# KiCad board travis_erg2024-new5.kicad_pcb (continued)
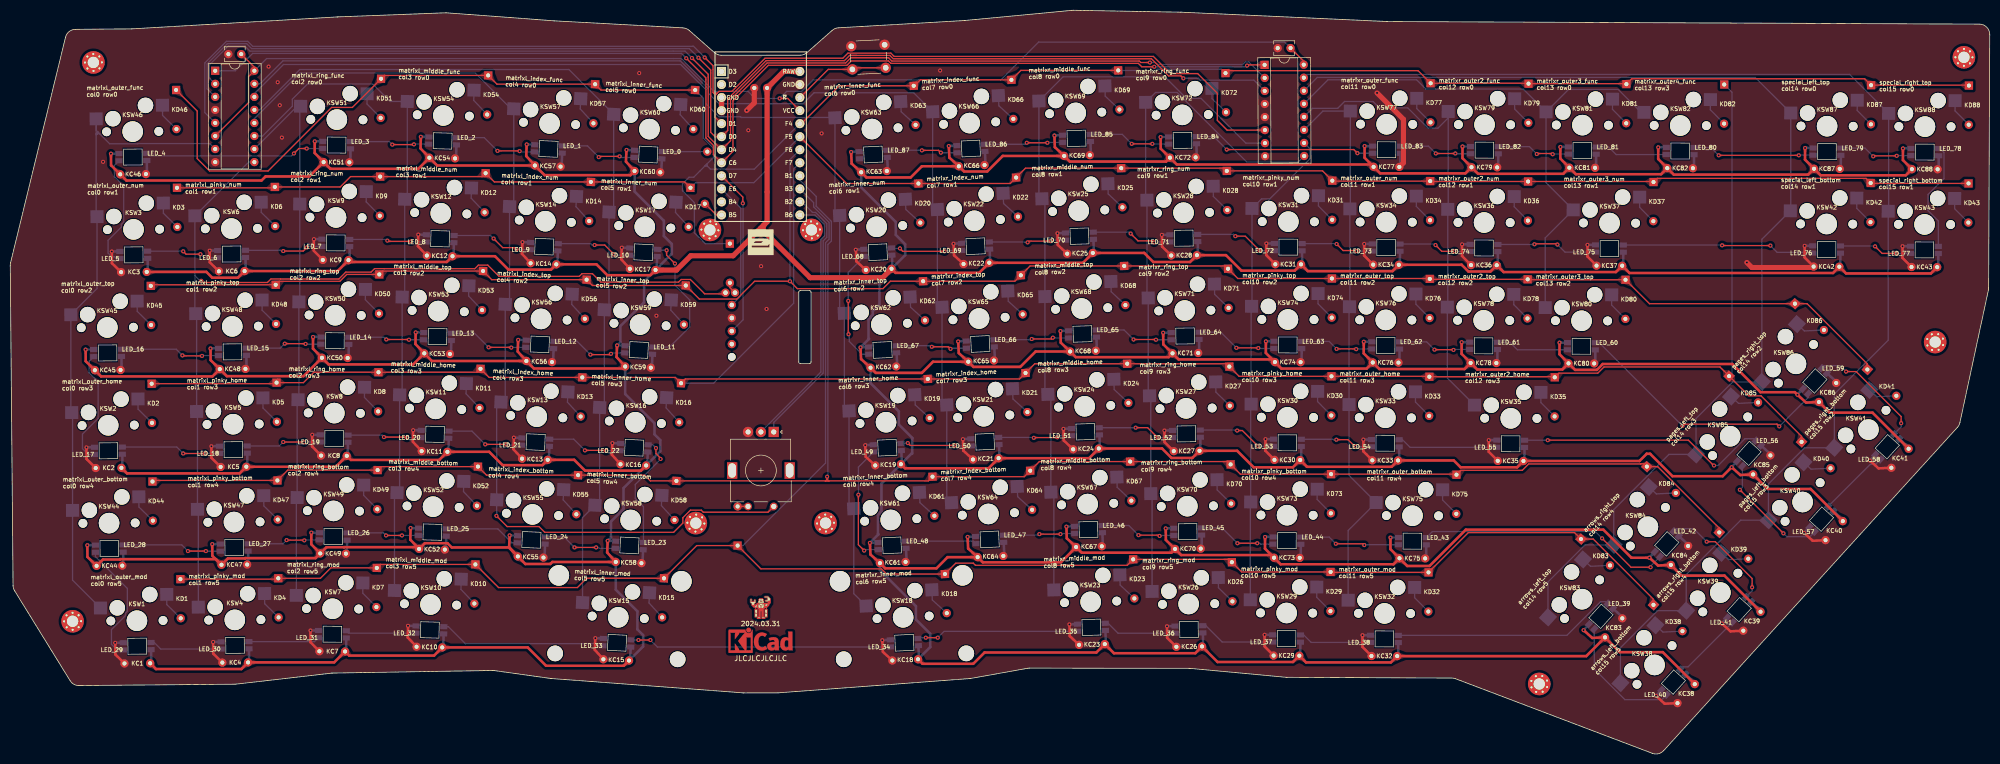
[diagram p0: board, top side]
## Routing (per net, layer and track width the routed paths; a pad name or vN(x,y) marks a point on that pad's centre or on a via; arc(x,y) is an arc through that point) (continued)
col15: length 259.6
  Bottom w0.25: KSW38.1 313.39,20.64 320.59,27.85 KSW39.1 326.19,34.87 336.8,45.48 KSW40.1 342.21,52.55 349.23,59.58 KSW41.1 355.01,70.03 365.51,80.52 KSW43.1 365.59,105.72 KSW88.1 358,132.27 252.41,132.27 DIP2.15
enc_to: length 2
  Top w0.25: D2.2 ROT1.2
encA: length 51.8
  Bottom w0.25: ROT1.A 148.6,64.52 158.22,74.14 158.22,99.86 158.91,100.55 158.91,103.23 156.74,105.4 156.14,105.4 154.09,107.45 MCU1.14
encC: length 51.1
  Bottom w0.25: MCU1.13 156.6,104.91 158.46,103.04 158.46,100.83 157.76,100.13 157.76,74.32 ROT1.C
LED: length 4.1
  Top w0.25: 135.24,107.09 137.42,104.91 MCU1.12
LED_0: length 8.8
  Bottom w0.25: 135.73,117.24 126.9,117.24 KLED60.4
LED_1: length 15
  Top w0.25: v1(114.53,116.17) 114.69,116.32 v1(118.6,116.32)
  Bottom w0.25: v1(114.53,116.17) 112.35,118.35 KLED57.4 ; v1(118.6,116.32) 118.82,116.1 KLED60.2
LED_2: length 16.3
  Top w0.25: v1(99.14,117.34) 99.09,117.39 v1(94.82,117.39)
  Bottom w0.25: v1(94.82,117.39) 92.26,119.95 KLED54.4 ; KLED57.2 99.29,117.19 v1(99.14,117.34)
LED_3: length 15.5
  Top w0.25: v1(78.57,118.66) 78.52,118.61 v1(74.35,118.61)
  Bottom w0.25: v1(74.35,118.61) 73.77,119.19 KLED51.4 ; v1(78.57,118.66) 78.6,118.69 KLED54.2
LED_4: length 35.1
  Top w0.25: v1(57.69,117.85) 56.16,117.85 v1(55.2,116.88)
  Bottom w0.25: KLED51.2 57.69,117.84 v1(57.69,117.85) ; v1(55.2,116.88) 54.73,116.41 27.06,116.41 KLED46.4
LED_5: length 23.1
  Bottom w0.25: KLED46.2 20.25,114.54 20.25,112.38 22.08,110.55 22.08,103.53 21.62,103.08 21.62,102.55 19.04,99.97 19.04,97.49 19.77,96.75 20.3,96.75 20.64,96.41 KLED3.4
LED_6: length 14.2
  Top w0.25: v1(37.01,97.27) 34.22,97.27 v1(33.66,97.83)
  Bottom w0.25: KLED3.2 33.63,97.86 v1(33.66,97.83) ; KLED6.4 37.71,96.58 v1(37.01,97.27)
LED_7: length 15.3
  Top w0.25: v1(53.12,97.88) 57.03,97.88 v1(57.74,98.59)
  Bottom w0.25: KLED9.4 57.94,98.79 v1(57.74,98.59) ; KLED6.2 52.62,98.03 52.76,97.88 v1(53.12,97.88)
LED_8: length 15.1
  Top w0.25: v1(78.01,99.76) 73.54,99.76 v1(73.39,99.91)
  Bottom w0.25: KLED9.2 73.15,100.14 v1(73.39,99.91) ; v1(78.01,99.76) 78.12,99.65 KLED12.4
LED_9: length 16
  Top w0.25: v1(98.53,98.24) 98.23,98.54 95.84,98.54 v1(94.06,100.32)
  Bottom w0.25: KLED12.2 93.47,100.91 v1(94.06,100.32) ; v1(98.53,98.24) 98.61,98.16 KLED14.4
LED_10: length 14.8
  Top w0.25: v1(113.72,99.05) 115.7,99.05 v1(117.53,97.22)
  Bottom w0.25: KLED14.2 112.99,99.32 113.26,99.05 v1(113.72,99.05) ; KLED17.4 117.68,97.07 v1(117.53,97.22)
LED_11: length 27.4
  Top w0.25: v1(127.74,98.03) 127.74,97.07 v1(129.37,95.44)
  Bottom w0.25: v1(127.74,98.03) 126.16,98.03 KLED17.2 ; v1(129.37,95.44) 129.37,91.23 132.23,88.36 132.23,83.1 128.32,79.18 KLED59.4
LED_12: length 15
  Top w0.25: v1(116.92,77.87) 116.77,77.71 v1(112.91,77.71)
  Bottom w0.25: v1(116.92,77.87) 117.1,78.05 KLED59.2 ; KLED56.4 110.33,80.29 v1(112.91,77.71)
LED_13: length 15.7
  Top w0.25: v1(93.1,79.14) 97.47,79.14 v1(97.52,79.08)
  Bottom w0.25: KLED56.2 97.56,79.12 v1(97.52,79.08) ; v1(93.1,79.14) 90.37,81.87 KLED53.4
LED_14: length 14.7
  Top w0.25: v1(77.6,80.61) 77.55,80.66 v1(73.18,80.66)
  Bottom w0.25: KLED53.2 77.6,80.61 v1(77.6,80.61) ; v1(73.18,80.66) 72.75,81.09 KLED50.4
LED_15: length 14.9
  Top w0.25: v1(53.42,79.85) 57.43,79.85 v1(57.49,79.8)
  Bottom w0.25: v1(53.42,79.85) 52.55,78.98 KLED48.4 ; v1(57.49,79.8) 57.54,79.74 KLED50.2
LED_16: length 19.5
  Top w0.25: v1(37.32,77.46) 33.61,77.46 v1(33.51,77.56)
  Bottom w0.25: v1(37.32,77.46) 37.39,77.53 KLED48.2 ; KLED45.4 32.31,78.76 v1(33.51,77.56)
LED_17: length 23.1
  Bottom w0.25: KLED2.4 15.18,58.27 14.05,59.4 14.05,62.24 17.1,65.3 17.1,72.43 15.34,74.19 15.34,76.41 KLED45.2
LED_18: length 19.5
  Top w0.25: v1(33.66,58.46) 37.83,58.46 v1(37.88,58.41)
  Bottom w0.25: KLED5.4 37.95,58.48 v1(37.88,58.41) ; v1(33.66,58.46) 32.41,59.71 KLED2.2
LED_19: length 14.6
  Top w0.25: v1(57.18,60.64) 57.13,60.7 v1(53.12,60.7)
  Bottom w0.25: v1(57.18,60.64) 57.23,60.69 KLED8.4 ; KLED5.2 52.35,59.93 v1(53.12,60.7)
LED_20: length 14.4
  Top w0.25: v1(72.73,61.66) 77.09,61.66 v1(77.2,61.56)
  Bottom w0.25: v1(72.73,61.66) 72.34,62.05 KLED8.2 ; KLED11.4 77.2,61.56 v1(77.2,61.56)
LED_21: length 15.3
  Top w0.25: v1(92.44,60.24) v1(96.55,60.24)
  Bottom w0.25: v1(96.55,60.24) 97.06,60.24 97.2,60.09 KLED13.4 ; KLED11.2 89.85,62.82 v1(92.44,60.24)
LED_22: length 14.7
  Top w0.25: v1(111.84,59.07) 115.85,59.07 v1(115.96,58.97)
  Bottom w0.25: KLED13.2 109.66,61.26 v1(111.84,59.07) ; KLED16.4 116.01,59.02 v1(115.96,58.97)
LED_23: length 23.3
  Top w0.25: v1(125.67,59.53) 125.67,58.45 126.57,57.55 v1(126.57,57.39)
  Bottom w0.25: v1(125.67,59.53) 125.04,60.16 KLED16.2 ; KLED58.4 123.24,48.1 121.65,49.69 121.65,52.43 126.57,57.35 v1(126.57,57.39)
LED_24: length 14.5
  Top w0.25: v1(109.81,40.17) v1(114.03,40.17)
  Bottom w0.25: KLED55.4 107.76,42.22 v1(109.81,40.17) ; KLED58.2 114.62,39.99 114.43,40.17 v1(114.03,40.17)
LED_25: length 14.9
  Bottom w0.25: KLED52.4 94.91,43.78 97.63,41.06 KLED55.2
LED_26: length 14.1
  Top w0.25: v1(73.13,42.51) v1(76.23,42.51)
  Bottom w0.25: KLED52.2 76.6,42.52 76.59,42.51 v1(76.23,42.51) ; v1(73.13,42.51) 72.64,43 KLED49.4
LED_27: length 14.2
  Top w0.25: v1(53.78,41.59) 57.18,41.59 v1(57.23,41.54)
  Bottom w0.25: v1(53.78,41.59) 53.06,40.88 KLED47.4 ; v1(57.23,41.54) 57.33,41.64 KLED49.2
LED_28: length 19.4
  Top w0.25: v1(34.57,39.46) v1(38.08,39.46)
  Bottom w0.25: KLED44.4 33.37,40.67 v1(34.57,39.46) ; KLED47.2 38.52,39.43 38.49,39.46 v1(38.08,39.46)
LED_29: length 24.5
  Bottom w0.25: KLED44.2 16.58,38.39 22.79,32.18 22.79,27.72 22.43,27.36 22.43,26.91 19.7,24.18 19.7,21.29 20.78,20.21 KLED1.4
LED_30: length 14.2
  Bottom w0.25: KLED4.4 29.28,20.38 28,21.66 KLED1.2
LED_31: length 13.9
  Bottom w0.25: KLED4.2 59.22,21.83 KLED7.4
LED_32: length 13.7
  Bottom w0.25: KLED10.4 65.87,23.48 KLED7.2
LED_33: length 32.5
  Bottom w0.25: KLED10.2 85.27,24.73 88.57,21.43 114.97,21.43 KLED15.4
LED_34: length 51.1
  Top w0.25: v1(124.59,22.14) v1(122.26,22.14)
  Bottom w0.25: KLED18.4 125.95,20.78 v1(124.59,22.14) ; v1(122.26,22.14) 120.86,22.14 KLED15.2
LED_35: length 31.6
  Top w0.25: v1(180.52,22.6) v1(178.19,22.6)
  Bottom w0.25: KLED23.4 181.76,23.83 v1(180.52,22.6) ; v1(178.19,22.6) 176.84,22.6 KLED18.2
LED_36: length 14.4
  Bottom w0.25: KLED23.2 213.68,25.39 215.61,23.46 KLED26.4
LED_37: length 14.9
  Bottom w0.25: KLED29.4 235.88,21.75 232.71,24.93 KLED26.2
LED_38: length 14.2
  Bottom w0.25: KLED29.2 251.74,23.13 253.2,21.67 KLED32.4
LED_39: length 43.6
  Bottom w0.25: KLED32.2 302.96,23.05 309.52,29.61 310.52,29.61 KLED83.4
LED_40: length 24.8
  Bottom w0.25: KLED38.4 321.46,10.53 314.25,10.53 308.3,16.48 KLED83.2
LED_41: length 14
  Bottom w0.25: KLED39.4 326.55,16.91 325.49,16.91 KLED38.2
LED_42: length 23.6
  Top w0.25: v1(339.02,32.4) 339.02,34.11 331.84,41.29 v1(330.18,41.29)
  Bottom w0.25: KLED84.4 324.2,43.82 327.65,43.82 v1(330.18,41.29) ; v1(339.02,32.4) 339.02,31.73 KLED39.2
LED_43: length 49.9
  Top w0.25: v1(309.81,41.95) 315.45,36.31 v1(319.26,36.31)
  Bottom w0.25: v1(319.26,36.31) 319.26,36.54 KLED84.2 ; KLED75.4 276.78,43.25 308.51,43.25 v1(309.81,41.95)
LED_44: length 19.7
  Top w0.25: v1(263.53,40.63) 263.28,40.88 v1(257.99,40.88)
  Bottom w0.25: v1(263.53,40.63) 263.6,40.7 KLED75.2 ; v1(257.99,40.88) 256.7,42.18 KLED73.4
LED_45: length 15.2
  Top w0.25: v1(238.84,40.98) v1(242.7,40.98)
  Bottom w0.25: KLED73.2 243.39,40.8 243.21,40.98 v1(242.7,40.98) ; KLED70.4 235.85,43.98 v1(238.84,40.98)
LED_46: length 14.8
  Top w0.25: v1(219.59,42.56) 223.55,42.56 v1(223.7,42.41)
  Bottom w0.25: v1(219.59,42.56) 217.71,44.44 KLED67.4 ; KLED70.2 223.8,42.51 v1(223.7,42.41)
LED_47: length 14
  Top w0.25: v1(200.28,42.76) v1(204.4,42.76)
  Bottom w0.25: KLED67.2 204.51,42.87 v1(204.4,42.76) ; v1(200.28,42.76) 200.08,42.56 KLED64.4
LED_48: length 13.9
  Bottom w0.25: KLED64.2 187.46,41.4 KLED61.4
LED_49: length 23.7
  Top w0.25: v1(165.08,50.43) 165.07,50.42 165.07,40.69 v1(166.2,39.56)
  Bottom w0.25: v1(165.08,50.43) 165.08,55.82 KLED19.4 ; KLED61.2 166.37,39.74 v1(166.2,39.56)
LED_50: length 14
  Top w0.25: v1(174.69,60.49) 175.15,60.03 v1(183.83,60.03)
  Bottom w0.25: KLED19.2 173.42,60.49 v1(174.69,60.49) ; KLED21.4 183.93,59.93 v1(183.83,60.03)
LED_51: length 14.4
  Top w0.25: v1(199.22,61.51) 199.27,61.56 203.74,61.56 v1(203.79,61.61)
  Bottom w0.25: v1(203.79,61.61) 204.09,61.91 KLED24.4 ; KLED21.2 199.14,61.59 v1(199.22,61.51)
LED_52: length 15.1
  Top w0.25: v1(219.03,63.49) 221.37,63.49 v1(223.3,61.56)
  Bottom w0.25: KLED27.4 223.3,61.55 v1(223.3,61.56) ; KLED24.2 219.02,63.48 v1(219.03,63.49)
LED_53: length 15.6
  Top w0.25: v1(242.85,59.88) 239.81,62.93 v1(238.79,62.93)
  Bottom w0.25: KLED30.4 242.88,59.85 v1(242.85,59.88) ; v1(238.79,62.93) 238.28,62.93 238.19,63.02 KLED27.2
LED_54: length 14.2
  Top w0.25: v1(261.75,59.78) 260.38,61.15 v1(258.09,61.15)
  Bottom w0.25: v1(258.09,61.15) 257.54,61.15 257.46,61.23 KLED30.2 ; KLED33.4 261.76,59.77 v1(261.75,59.78)
LED_55: length 19.6
  Bottom w0.25: KLED33.2 270.96,61.15 272.44,59.66 KLED35.4
LED_56: length 49.3
  Top w0.25: v1(299.24,61.05) 326.61,61.05 331.54,56.12 v1(331.6,56.12)
  Bottom w0.25: v1(299.24,61.05) 299.23,61.04 KLED35.2 ; v1(331.6,56.12) 332.42,56.12 337.63,61.33 339.34,61.33 KLED85.4
LED_57: length 23.6
  Top w0.25: v1(345.12,42.92) v1(336.63,51.4)
  Bottom w0.25: v1(336.63,51.4) 337.12,51.89 KLED85.2 ; v1(345.12,42.92) 345.77,42.26 350.28,42.26 KLED40.4
LED_58: length 14
  Bottom w0.25: KLED41.4 363.08,56.36 362.03,56.36 KLED40.2
LED_59: length 23.8
  Top w0.25: v1(357.31,74.41) 359.27,74.41 368.03,65.65 v1(368.03,64.35)
  Bottom w0.25: KLED86.4 353.02,75.55 356.17,75.55 v1(357.31,74.41) ; KLED41.2 368.03,63.65 v1(368.03,64.35)
LED_60: length 51.5
  Top w0.25: v1(344.3,63.74) 343.86,64.19 325.8,64.19 v1(325.46,63.84)
  Bottom w0.25: v1(344.3,63.74) 349.93,69.37 KLED86.2 ; v1(325.46,63.84) 309.27,80.03 KLED80.4
LED_61: length 14.2
  Bottom w0.25: KLED80.2 293.34,78.65 291.88,80.11 KLED78.4
LED_62: length 14.3
  Top w0.25: v1(280.9,78.63) 280.85,78.68 v1(277.2,78.68)
  Bottom w0.25: v1(277.2,78.68) 275.68,80.2 KLED76.4 ; KLED78.2 281.01,78.74 v1(280.9,78.63)
LED_63: length 14.3
  Top w0.25: v1(258.15,78.83) 261.9,78.83 v1(261.96,78.78)
  Bottom w0.25: KLED74.4 256.7,80.28 v1(258.15,78.83) ; KLED76.2 262,78.82 v1(261.96,78.78)
LED_64: length 15.9
  Top w0.25: v1(242.91,78.98) 242.85,79.03 v1(238.64,79.03)
  Bottom w0.25: v1(238.64,79.03) 235.6,82.07 KLED71.4 ; v1(242.91,78.98) 242.99,78.9 KLED74.2
LED_65: length 15.4
  Top w0.25: v1(218.62,80.66) 222.94,80.66 v1(222.99,80.61)
  Bottom w0.25: v1(218.62,80.66) 216.76,82.52 KLED68.4 ; v1(222.99,80.61) 223,80.6 KLED71.2
LED_66: length 14.7
  Top w0.25: v1(198.81,80.76) 202.67,80.76 v1(202.93,81.02)
  Bottom w0.25: KLED68.2 203.5,80.95 203.43,81.02 v1(202.93,81.02) ; KLED65.4 198.67,80.62 v1(198.81,80.76)
LED_67: length 14
  Top w0.25: v1(179.35,79.24) 182.61,79.24 v1(183.01,78.83)
  Bottom w0.25: KLED62.4 179.14,79.45 v1(179.35,79.24) ; KLED65.2 183.14,78.96 v1(183.01,78.83)
LED_68: length 22.8
  Top w0.25: v1(163.1,88.18) 163.1,81.73 v1(163.15,81.68)
  Bottom w0.25: v1(163.1,88.18) 163.1,93.72 KLED20.4 ; KLED62.2 165.77,77.79 163.3,80.26 163.3,81.52 v1(163.15,81.68)
LED_69: length 14
  Top w0.25: v1(173.16,98.39) 173.72,97.83 v1(181.84,97.83)
  Bottom w0.25: KLED20.2 171.62,98.39 v1(173.16,98.39) ; KLED22.4 182,97.99 v1(181.84,97.83)
LED_70: length 15.1
  Top w0.25: v1(198,99.56) 198.25,99.81 v1(202.52,99.81)
  Bottom w0.25: KLED22.2 197.45,99.64 197.54,99.56 v1(198,99.56) ; v1(202.52,99.81) 202.7,99.99 KLED25.4
LED_71: length 15.8
  Top w0.25: v1(218.06,101.28) 219.49,99.86 222.33,99.86 v1(222.64,99.56)
  Bottom w0.25: v1(222.64,99.56) 222.73,99.65 KLED28.4 ; KLED25.2 217.79,101.56 v1(218.06,101.28)
LED_72: length 16.2
  Top w0.25: v1(243.16,97.98) 240.37,100.78 v1(238.44,100.78)
  Bottom w0.25: KLED31.4 243.19,97.95 v1(243.16,97.98) ; v1(238.44,100.78) 238.09,101.12 KLED28.2
LED_73: length 14.2
  Top w0.25: v1(262.06,97.88) 261.96,97.98 259.42,97.98 v1(258.15,99.25)
  Bottom w0.25: KLED31.2 258.07,99.33 v1(258.15,99.25) ; v1(262.06,97.88) 262.07,97.87 KLED34.4
LED_74: length 14.2
  Top w0.25: v1(281.11,97.83) 278.62,97.83 v1(277.4,99.05)
  Bottom w0.25: v1(277.4,99.05) 277.2,99.25 KLED34.2 ; KLED36.4 281.15,97.79 v1(281.11,97.83)
LED_75: length 19.7
  Top w0.25: v1(296.65,99.2) 296.75,99.3 300.97,99.3 v1(301.12,99.15)
  Bottom w0.25: KLED36.2 296.61,99.16 v1(296.65,99.2) ; KLED37.4 302.59,97.68 v1(301.12,99.15)
LED_76: length 37.5
  Top w0.25: v1(342.58,98.95) 333.23,98.95 v1(333.18,99)
  Bottom w0.25: KLED37.2 333.12,99.06 v1(333.18,99) ; KLED42.4 350.67,97.63 343.9,97.63 v1(342.58,98.95)
LED_77: length 14.2
  Top w0.25: v1(362.95,98.8) 364.32,97.42 v1(367.01,97.42)
  Bottom w0.25: KLED42.2 362.87,98.87 v1(362.95,98.8) ; v1(367.01,97.42) 367.02,97.41 KLED43.4
LED_78: length 21.7
  Bottom w0.25: KLED43.2 375.26,103.75 373.27,105.75 373.27,108.91 376.36,112 376.36,117.07 375.6,117.84 KLED88.4
LED_79: length 14.4
  Top w0.25: v1(362.59,116.32) 362.69,116.42 v1(367.16,116.42)
  Bottom w0.25: KLED88.2 367.2,116.46 v1(367.16,116.42) ; KLED87.4 360.99,117.92 v1(362.59,116.32)
LED_80: length 23.8
  Top w0.25: v1(332.52,116.52) v1(348.11,116.52)
  Bottom w0.25: KLED87.2 348.13,116.55 v1(348.11,116.52) ; v1(332.52,116.52) 330.99,118.05 KLED82.4
LED_81: length 14.2
  Bottom w0.25: KLED81.4 311.09,118.13 312.55,116.67 KLED82.2
LED_82: length 14.4
  Top w0.25: v1(300.21,116.73) 300.06,116.88 297.21,116.88 v1(297.11,116.78)
  Bottom w0.25: v1(297.11,116.78) 295.67,118.21 KLED79.4 ; KLED81.2 300.23,116.75 v1(300.21,116.73)
LED_83: length 14.2
  Top w0.25: v1(277.45,116.88) v1(281.26,116.88)
  Bottom w0.25: KLED79.2 281.66,116.84 281.62,116.88 v1(281.26,116.88) ; v1(277.45,116.88) 276.03,118.3 KLED77.4
LED_84: length 35.7
  Top w0.25: v1(236.76,117.64) 261.5,117.64 v1(262.21,116.93)
  Bottom w0.25: KLED72.4 234.23,120.17 v1(236.76,117.64) ; KLED77.2 262.22,116.92 v1(262.21,116.93)
LED_85: length 16.1
  Top w0.25: v1(218.27,118.76) v1(222.28,118.76)
  Bottom w0.25: v1(218.27,118.76) 216.43,120.6 KLED69.4 ; v1(222.28,118.76) 222.34,118.7 KLED72.2
LED_86: length 15.4
  Top w0.25: v1(201.86,118.96) v1(197.85,118.96)
  Bottom w0.25: KLED66.4 197.56,118.67 v1(197.85,118.96) ; v1(201.86,118.96) 201.93,119.04 KLED69.2
LED_87: length 13.9
  Top w0.25: v1(177.42,117.49) 180.68,117.49 v1(181.13,117.03)
  Bottom w0.25: KLED66.2 181.71,117.01 181.69,117.03 v1(181.13,117.03) ; v1(177.42,117.49) 177.41,117.51 KLED63.4
matrixl_index_bottom: length 5.8
  Bottom w0.25: KSW55.2 107.61,49.43 KD55.2
matrixl_index_func: length 5.8
  Bottom w0.25: KD57.2 110.94,125.56 KSW57.2
matrixl_index_home: length 5.8
  Bottom w0.25: KD13.2 108.44,68.46 KSW13.2
matrixl_index_num: length 5.8
  Bottom w0.25: KD14.2 110.11,106.52 KSW14.2
matrixl_index_top: length 5.8
  Bottom w0.25: KD56.2 109.28,87.49 KSW56.2
matrixl_inner_bottom: length 5.8
  Bottom w0.25: KD58.2 126.73,48.32 KSW58.2
matrixl_inner_func: length 5.8
  Bottom w0.25: KSW60.2 130.39,124.43 KD60.2
matrixl_inner_home: length 5.8
  Bottom w0.25: KD16.2 127.64,67.35 KSW16.2
matrixl_inner_mod: length 5.8
  Bottom w0.25: KD15.2 124.32,29.36 KSW15.2
matrixl_inner_num: length 5.8
  Bottom w0.25: KSW17.2 129.47,105.4 KD17.2
matrixl_inner_top: length 5.8
  Bottom w0.25: KSW59.2 128.56,86.37 KD59.2
matrixl_middle_bottom: length 5.8
  Bottom w0.25: KD52.2 88.21,51.04 KSW52.2
matrixl_middle_func: length 5.8
  Bottom w0.25: KSW54.2 90.21,127.22 KD54.2
matrixl_middle_home: length 5.8
  Bottom w0.25: KSW11.2 88.71,70.09 KD11.2
matrixl_middle_mod: length 5.8
  Bottom w0.25: KSW10.2 87.71,32 KD10.2
matrixl_middle_num: length 5.8
  Bottom w0.25: KD12.2 89.71,108.17 KSW12.2
matrixl_middle_top: length 5.8
  Bottom w0.25: KD53.2 89.21,89.13 KSW53.2
matrixl_outer_bottom: length 5.8
  Bottom w0.25: KSW44.2 25.04,48.04 KD44.2
matrixl_outer_func: length 5.8
  Bottom w0.25: KSW46.2 29.64,124.28 KD46.2
matrixl_outer_home: length 5.8
  Bottom w0.25: KD2.2 24.87,67.09 KSW2.2
matrixl_outer_mod: length 5.8
  Bottom w0.25: KSW1.2 30.47,29.04 KD1.2
matrixl_outer_num: length 5.8
  Bottom w0.25: KD3.2 29.8,105.23 KSW3.2
matrixl_outer_top: length 5.8
  Bottom w0.25: KD45.2 24.71,86.14 KSW45.2
matrixl_pinky_bottom: length 5.8
  Bottom w0.25: 49.34,50.24 49.35,48.25 KD47.2
matrixl_pinky_home: length 5.8
  Bottom w0.25: KSW5.2 49.19,67.3 KD5.2
matrixl_pinky_mod: length 5.8
  Bottom w0.25: KD4.2 49.52,29.2 KSW4.2
matrixl_pinky_num: length 5.8
  Bottom w0.25: KSW6.2 48.85,105.4 KD6.2
matrixl_pinky_top: length 5.8
  Bottom w0.25: KD48.2 49.02,86.35 KSW48.2
matrixl_ring_bottom: length 5.8
  Bottom w0.25: KD49.2 68.77,50.32 KSW49.2
matrixl_ring_func: length 5.8
  Bottom w0.25: KD51.2 69.44,126.51 KSW51.2
matrixl_ring_home: length 5.8
  Bottom w0.25: KD8.2 68.94,69.37 KSW8.2
matrixl_ring_mod: length 5.8
  Bottom w0.25: 68.62,33.26 68.6,31.27 KD7.2
matrixl_ring_num: length 5.8
  Bottom w0.25: KD9.2 69.27,107.46 KSW9.2
matrixl_ring_top: length 5.8
  Bottom w0.25: KSW50.2 69.1,88.42 KD50.2
matrixr_index_bottom: length 5.8
  Bottom w0.25: KSW64.2 196.07,50.05 KD64.2
matrixr_index_func: length 5.8
  Bottom w0.25: KSW66.2 192.41,126.16 KD66.2
matrixr_index_home: length 5.8
  Bottom w0.25: KSW21.2 195.16,69.08 KD21.2
matrixr_index_num: length 5.8
  Bottom w0.25: KSW22.2 193.33,107.13 KD22.2
matrixr_index_top: length 5.8
  Bottom w0.25: KD65.2 194.24,88.11 KSW65.2
matrixr_inner_bottom: length 5.8
  Bottom w0.25: KD61.2 177.05,48.89 KSW61.2
matrixr_inner_func: length 5.8
  Bottom w0.25: KD63.2 173.4,125 KSW63.2
matrixr_inner_home: length 5.8
  Bottom w0.25: 176.04,69.9 176.14,67.91 KD19.2
matrixr_inner_mod: length 5.8
  Bottom w0.25: KD18.2 179.47,29.93 KSW18.2
matrixr_inner_num: length 5.8
  Bottom w0.25: KD20.2 174.31,105.97 KSW20.2
matrixr_inner_top: length 5.8
  Bottom w0.25: KD62.2 175.23,86.94 KSW62.2
matrixr_middle_bottom: length 5.8
  Bottom w0.25: KSW67.2 215.44,51.88 KD67.2
matrixr_middle_func: length 5.8
  Bottom w0.25: KSW69.2 213.11,128.04 KD69.2
matrixr_middle_home: length 5.8
  Bottom w0.25: KSW24.2 214.86,70.92 KD24.2
matrixr_middle_mod: length 5.8
  Bottom w0.25: KD23.2 216.02,32.84 KSW23.2
matrixr_middle_num: length 5.8
  Bottom w0.25: KSW25.2 213.69,109 KD25.2
matrixr_middle_top: length 5.8
  Bottom w0.25: KSW68.2 214.28,89.96 217.04,87.36
matrixr_outer2_func: length 5.8
  Bottom w0.25: KD79.2 292.79,125.55 KSW79.2
matrixr_outer2_home: length 5.8
  Bottom w0.25: KSW35.2 297.91,68.37 KD35.2
matrixr_outer2_num: length 5.8
  Bottom w0.25: KSW36.2 292.71,106.5 KD36.2
matrixr_outer2_top: length 5.8
  Bottom w0.25: KD78.2 292.63,87.45 KSW78.2
matrixr_outer3_func: length 5.8
  Bottom w0.25: KSW81.2 311.84,125.46 KD81.2
matrixr_outer3_num: length 5.8
  Bottom w0.25: KSW37.2 317.12,106.39 319.79,103.7
matrixr_outer3_top: length 5.8
  Bottom w0.25: KSW80.2 311.68,87.36 KD80.2
matrixr_outer4_func: length 5.8
  Bottom w0.25: KSW82.2 330.89,125.38 KD82.2
matrixr_outer_bottom: length 5.8
  Bottom w0.25: KD75.2 278.77,49.41 KSW75.2
matrixr_outer_func: length 5.8
  Bottom w0.25: KD77.2 273.74,125.63 KSW77.2
matrixr_outer_home: length 5.8
  Bottom w0.25: KD33.2 273.49,68.48 KSW33.2
matrixr_outer_mod: length 5.8
  Bottom w0.25: KSW32.2 273.33,30.38 KD32.2
matrixr_outer_num: length 5.8
  Bottom w0.25: KD34.2 273.66,106.58 KSW34.2
matrixr_outer_top: length 5.8
  Bottom w0.25: KD76.2 273.58,87.53 KSW76.2
matrixr_pinky_bottom: length 5.8
  Bottom w0.25: KSW73.2 254.36,49.51 KD73.2
matrixr_pinky_home: length 5.8
  Bottom w0.25: KD30.2 254.44,68.56 KSW30.2
matrixr_pinky_mod: length 5.8
  Bottom w0.25: KSW29.2 254.28,30.46 KD29.2
matrixr_pinky_num: length 5.8
  Bottom w0.25: KSW31.2 254.61,106.66 257.28,103.97
matrixr_pinky_top: length 5.8
  Bottom w0.25: KSW74.2 254.53,87.61 KD74.2
matrixr_ring_bottom: length 5.8
  Bottom w0.25: KD70.2 234.9,51.37 KSW70.2
matrixr_ring_func: length 5.8
  Bottom w0.25: KD72.2 233.9,127.56 233.88,129.55
matrixr_ring_home: length 5.8
  Bottom w0.25: KSW27.2 234.65,70.41 KD27.2
matrixr_ring_mod: length 5.8
  Bottom w0.25: KSW26.2 235.15,32.32 KD26.2
matrixr_ring_num: length 5.8
  Bottom w0.25: KD28.2 234.15,108.51 KSW28.2
matrixr_ring_top: length 5.8
  Bottom w0.25: KSW71.2 234.4,89.46 KD71.2
mux0: length 237
  Top w0.25: DIP2.1 240.86,134.13 v1(240.72,134) ; v1(222.65,133.76) 220.22,133.76 219.55,134.43 171.4,134.43 170.94,134.89 163.66,134.89 162.82,134.05 147.55,134.05 140.66,127.16 140.66,117.29 MCU1.8 136.85,116.65 136.85,118.45 135.39,119.92 135.39,131.6 v1(131.56,135.43)
  Bottom w0.25: v1(240.72,134) 240.48,133.76 v1(222.65,133.76) ; v1(131.56,135.43) 130.62,136.36 47.17,136.36 43.79,132.98 DIP1.1
mux1: length 240.7
  Top w0.25: v1(221.81,134.6) 220.02,134.6 219.74,134.88 171.59,134.88 170.94,135.52 163.6,135.52 162.58,134.5 147.29,134.5 140.19,127.4 140.19,119.36 MCU1.7 135.84,120.21 135.84,132.31 v1(132.67,135.47)
  Bottom w0.25: v1(221.81,134.6) 222.83,134.6 223.22,134.21 239.9,134.21 240.42,134.72 241.02,134.72 DIP2.2 ; v1(132.67,135.47) 131.33,136.81 46.64,136.81 45.7,137.76 45.7,137.81 42.43,137.81 38.76,134.14 38.76,131.57 DIP1.2
mux2: length 243.2
  Top w0.25: v1(133.94,135.52) 136.33,133.14 136.33,120.99 137.17,120.15 MCU1.6 139.64,121.35 139.64,127.48 147.11,134.95 162.34,134.95 163.36,135.97 164.72,135.97 ; 163.71,135.97 171.2,135.97 171.84,135.33 222.1,135.33 225.45,131.98 227.85,131.98 v1(228.33,131.51)
  Bottom w0.25: DIP1.3 38.31,129.48 38.31,134.32 42.25,138.27 46,138.27 46.97,137.3 132.16,137.3 v1(133.94,135.52) ; DIP2.3 242.06,131.15 231.58,131.15 231.22,131.51 v1(228.33,131.51)
mux3: length 252.3
  Top w0.25: 137.44,128.47 137.24,128.27 137.24,123.89 ; 137.44,128.47 137.59,128.62 ; 137.44,128.47 137.37,128.54 137.01,128.54 136.99,128.56 ; 137.24,123.89 MCU1.5 ; 137.24,123.89 137.24,128.32 136.99,128.56 ; 136.99,128.56 136.89,128.67 ; 136.89,128.67 136.78,128.77 136.78,133.95 v1(135.16,135.57) ; 136.89,128.67 136.93,128.62 137.59,128.62 ; DIP2.6 236.83,121.43 234.93,123.33 234.93,128.61 231.11,132.43 225.83,132.43 222.48,135.78 172.03,135.78 171.39,136.42 163.03,136.42 162.03,135.42 146.89,135.42 140.44,128.97 137.94,128.97 137.59,128.62